# Altium PCB PCB3.PcbDoc
Units mm, origin at the board's own origin, x right, y up, seen from the top; angles counter-clockwise.
Board outline 152.4 x 101.6 mm, 2 copper layers (Top Layer, Bottom Layer); 41 components, 33 nets, 123 pads, 20 vias.
Unrouted connection lines stored in the file: 62.
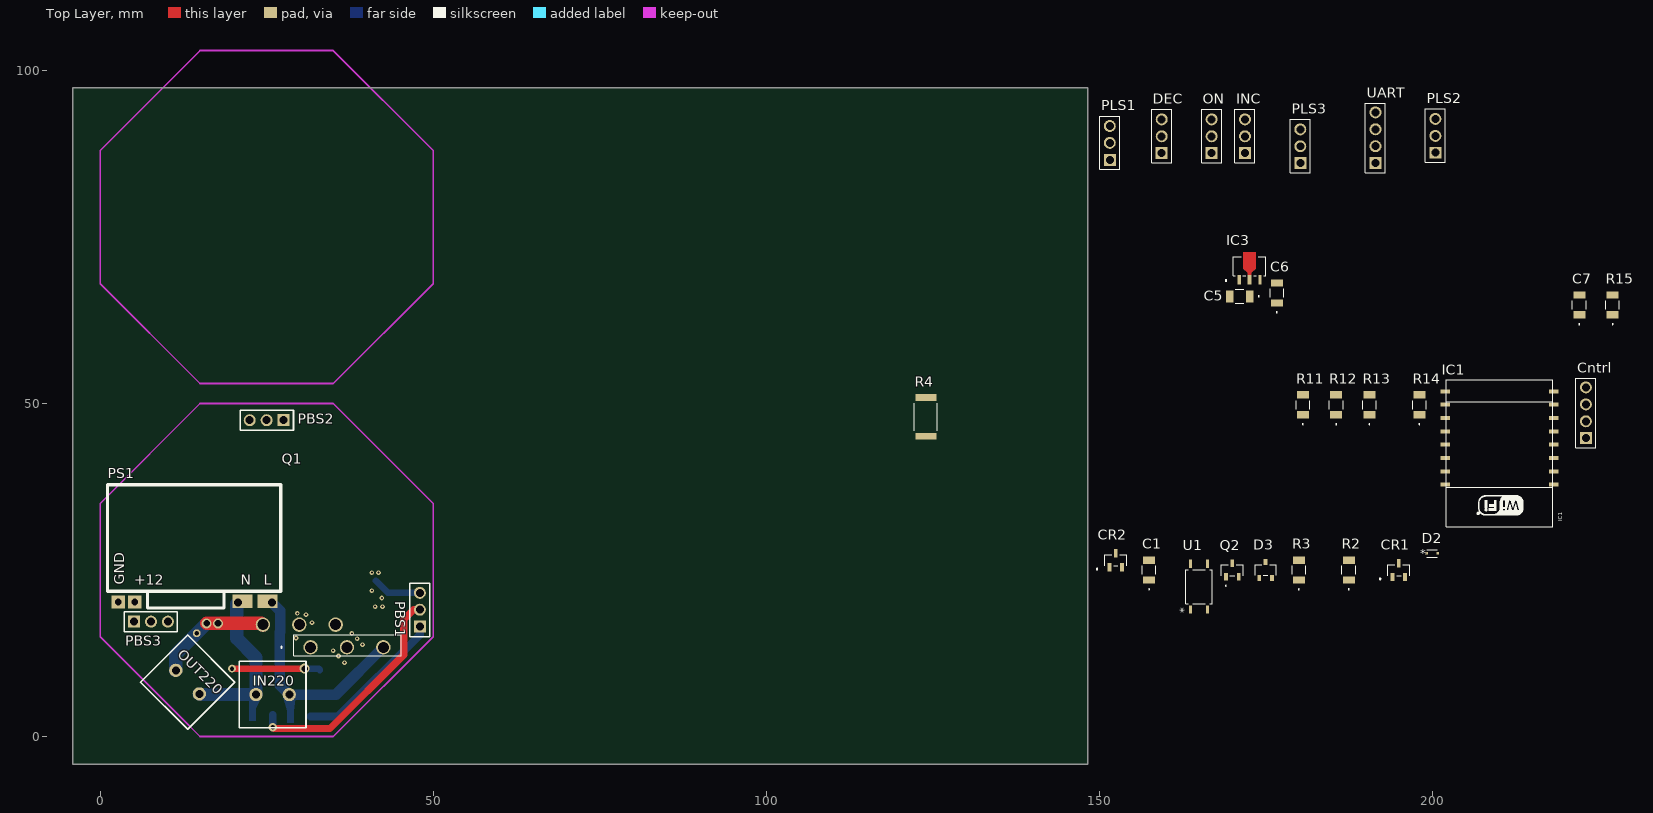
[diagram p0: Top Layer view]
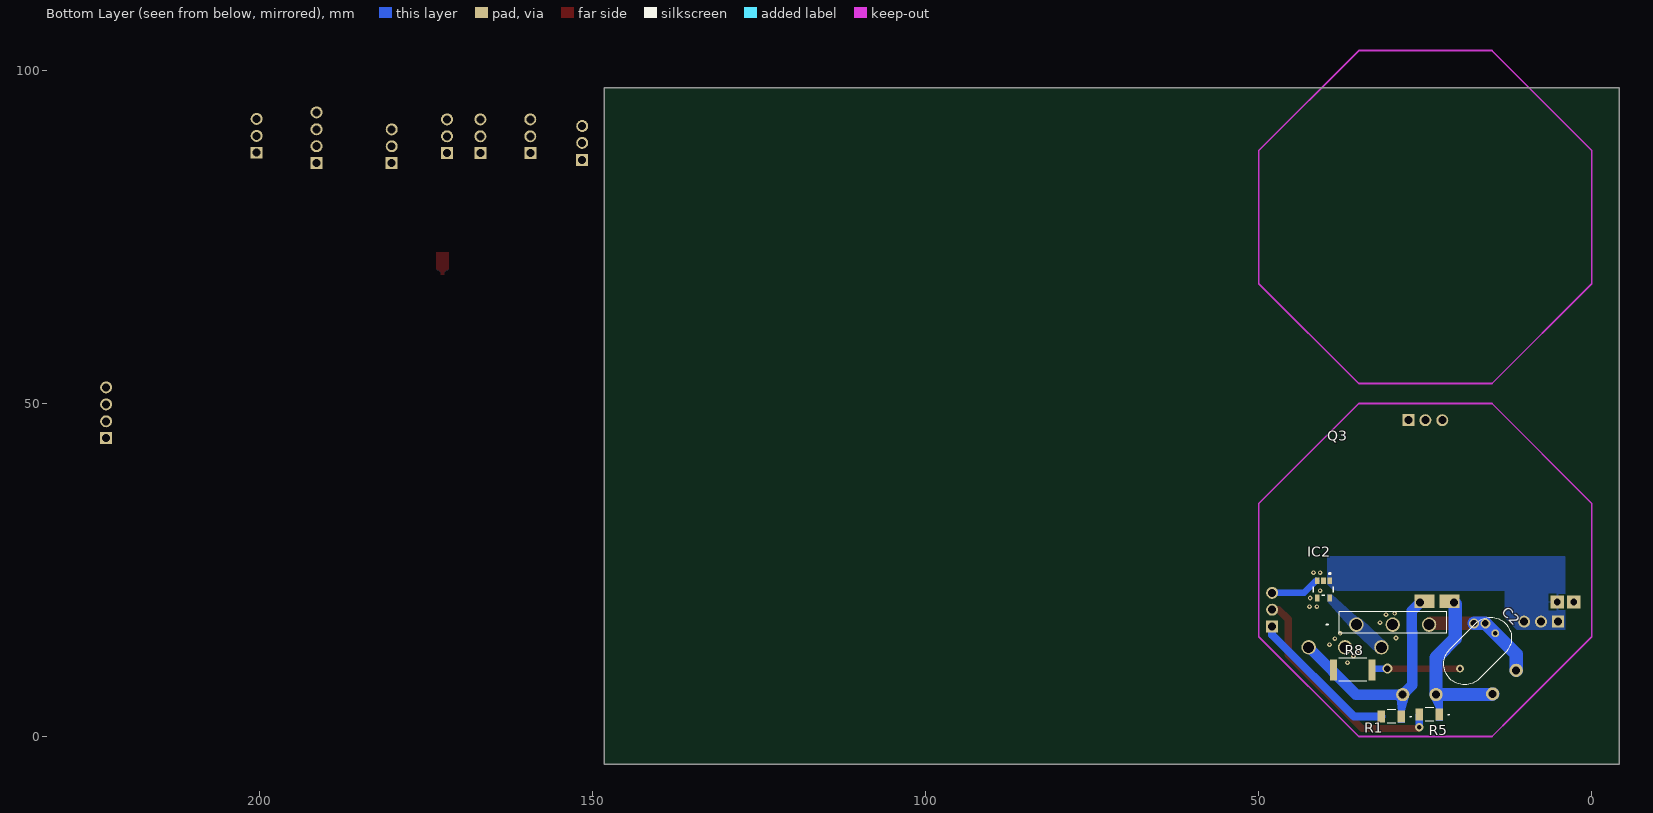
[diagram p1: Bottom Layer view, seen from below]

## Layer stack, top to bottom
Top Solder: solder mask 0.0102, Solder Resist, Dk 3.5
Top Layer: signal copper 0.0356
Dielectric 1: dielectric 0.32, FR-4, Dk 4.8
Bottom Layer: signal copper 0.0356
Bottom Solder: solder mask 0.0102, Solder Resist, Dk 3.5

## Board outline
-4.138,-4.172 148.262,-4.172 148.262,97.428 -4.138,97.428

## Design rules (kind name [scope] priority, off if disabled: settings)
Clearance "Clearance_PS1 pads 0.254" [InPadClass('PS1 Pads')] p1: gap=0.254
Clearance Clearance_0.25 [InPadClass('IC2 Pads')] p2: gap=0.25
Clearance Clearance_Power_Nets_0.7mm [InNetClass('Power_Nets')] p3: gap=0.7
Clearance [All] p4: gap=0.254
ComponentClearance ComponentClearance_1 [InComponent('PS1')] p1: gap=0 collisioncheckmode=3 verticalgap=0.254 showdistances=FALSE
ComponentClearance [All] p2: gap=0.254 collisioncheckmode=3 verticalgap=0.254 showdistances=FALSE
PolygonConnect PolygonConnect_Via [(ObjectKind = 'Via') And (Net = 'GNDA')] p1: connectstyle=Direct reliefconductorwidth=0.254 reliefentries=4 polygonreliefangle="90 Angle" airgapwidth=0.254
PolygonConnect PolygonConnect_PowerPads [InPadClass('Power Pads')] p2: connectstyle=Direct reliefconductorwidth=0.254 reliefentries=4 polygonreliefangle="90 Angle" airgapwidth=0.254
PolygonConnect PolygonConnect_GNDA_0.5 [InNet('GNDA')] p3: connectstyle=Relief reliefconductorwidth=0.7 reliefentries=4 polygonreliefangle="90 Angle" airgapwidth=0.254
PolygonConnect [All] p4: connectstyle=Relief reliefconductorwidth=0.254 reliefentries=4 polygonreliefangle="90 Angle" airgapwidth=0.254
RoutingVias [All] p1: holewidth=0.711 width=1.27 viastyle="Through Hole" minholewidth=0.254 minwidth=0.7 maxholewidth=1 maxwidth=1.524
SolderMaskExpansion [All] p1: expansion=0.102
Width Width_2mm [InNetClass('Power_Nets')] p1: maxlimit=2.4 minlimit=1.6 preferedwidth=2
Width Width_1mm [InNetClass('All Nets')] p2: maxlimit=1.4 minlimit=0.7 preferedwidth=1
Width [All] p3: maxlimit=0.254 minlimit=0.254 preferedwidth=0.254
29 further rules are at their usual default settings.

## Classes and differential pairs
pad class "IC2 Pads": IC2-1 IC2-2 IC2-3
net class "Middle Nets": LOAD_CNTRLA NetPBS1_1 NetPBS1_2
net class Power_Nets: L_IN L_OUT N_IN NetIC2_5
pad class "Power Pads": C2-1 IC2-1 IC2-5 IN220-1 IN220-2 OUT220-1 PBS3-1 PBS3-2 PBS3-3 Q1-1 Q2-2 Q3-1 Q3-2 R1-1 R5-1
pad class "PS1 Pads": PS1-1 PS1-2 PS1-3 PS1-4

## Components (designator, comment, footprint, x,y, rotation, side; value= is the part's Value field where it differs from the comment)
C1 "1206 0.47u" CAP_X7R_1206_AVX 157.5,25 r90 top
C2 "CK45-E3AD103ZYGNA (0.01u)" CAP_CK45E3103_TDK 17.148,12.852 r315 bottom
C5 "C-1206 (0.1u)" CAP_X7R_1206_AVX 171.1,66.1 r180 top
C6 "C-1206 0.33u" CAP_X7R_1206_AVX 176.7,66.6 r90 top
C7 "C-1206 0.47u" CAP_X7R_1206_AVX 222.1,64.8 r90 top
Cntrl "PLS-4" PLS-4 223.1,44.8 r90 top
CR1 "BAV99LT1G" SOT-23_TO-236_318-08_ONS 195,25 r0 top
CR2 "BAV99LT1G" SOT-23_TO-236_318-08_ONS 152.5,26.459 r0 top
D2 "1N4148WT" CR_SOD-523F_ONS 200,27.5 r0 top
D3 "BZX84C22VLFHT116" TRANS_BZX84_ROM 175,25 r0 top
DEC "PLS-3" PLS-3 159.4,90.2 r90 top
IC1 "ESP8266 ESP-07" "ESP8266 ESP-07" 218.1,32.3 r90 top
IC2 "FAN3100TSX" ON_Semi_527AH_0 40.3,22.1 r0 bottom
IC3 "L78L33ABUTR" SOT-89_STM 172.6,70.6 r0 top
IN220 "300-021-12" 300-021-12 20.9,1.3 r0 top
INC "PLS-3" PLS-3 171.9,90.2 r90 top
ON "PLS-3" PLS-3 166.9,90.2 r90 top
OUT220 "300-021-12" 300-021-12 6.061,8.168 r315 top
PBS1 "PBS-3" PBS-3 48,16.5 r90 top
PBS2 "PBS-3" PBS-3 27.54,47.5 r180 top
PBS3 "PBS-3" PBS-3 5.1,17.25 r0 top
PLS1 "PLS-3" PLS-3 151.6,89.2 r90 top
PLS2 "PLS-3" PLS-3 200.495,90.265 r90 top
PLS3 "PLS-3" PLS-3 180.2,88.7 r90 top
PS1 "220to12" 220to12 1.1,21.8 r0 top
Q1 "IRFP460APBF" TO-247AC_VIS 31.6,13.4 r0 top
Q2 "BC807-25,215" SOT23_BC807_NEX 170,25 r0 top
Q3 "IRFP460APBF" TO-247AC_VIS 35.36,16.8 r180 bottom
R1 "120k" CAP_X7R_1206_AVX 30.1,3 r0 bottom
R2 "10k" CAP_X7R_1206_AVX 187.5,25 r90 top
R3 "330k" CAP_X7R_1206_AVX 180,25 r90 top
R4 "R-2512 220" RES2512_TL_TYCO_TYC 124,48 r90 top
R5 "120k" CAP_X7R_1206_AVX 24.4,3.3 r0 bottom
R8 "220" RES2512_TL_TYCO_TYC 35.894,10 r0 bottom
R11 "10k" CAP_X7R_1206_AVX 180.6,49.8 r90 top
R12 "10k" CAP_X7R_1206_AVX 185.6,49.8 r90 top
R13 "10k" CAP_X7R_1206_AVX 190.6,49.8 r90 top
R14 "10k" CAP_X7R_1206_AVX 198.1,49.8 r90 top
R15 "10k" CAP_X7R_1206_AVX 227.1,64.8 r90 top
U1 "TLP183(GR-TPL,E" "4pin SO6_TOS" 165,22.5 r90 top
UART "PLS-4" PLS-4 191.5,86.1 r90 top

## Footprints (in the part's own frame and the unit in brackets; to place one, negate y for a bottom-side part, rotate by r counter-clockwise, add the part's x,y. Pads: shape width x height; smd on the part's side, far side on the other; paste and mask are expansions set on the pad)
"4pin SO6_TOS" [mil]
  rect 47.56x17.97 smd paste+0 mask+0: 1(-135.5,50) 3(-135.5,-50) 4(135.5,-50) 6(135.5,50)
  silkscreen extent -100,-78 100,78, body extent -138,-73 138,73, height 87
220to12 [mm]
  rect 3x2 hole 1.2 copper offset -0.7,0.2: 1(24.7,-1.7)
  rect 3x2 hole 1.2 copper offset 0.7,0.2: 2(19.6,-1.7)
  rect 2x2 hole 1: 3(4.1,-1.6) 4(1.6,-1.6)
  silkscreen extent 0,-2.5 26,16
300-021-12 [mm]
  round 2 hole 1.2: 1(2.5,5) 2(7.5,5)
  silkscreen extent 0,0 10,10
CAP_CK45E3103_TDK [mil]
  round 46 hole 26 mask+0: 1(-147.64,0) 2(147.64,0)
  silkscreen extent -232,-123 232,123, body extent 0,0 10,10, height 10
CAP_X7R_1206_AVX [mil]
  rect 43.78x71 smd paste+0 mask+0: 1(-58.89,0) 2(58.89,0)
  silkscreen extent -117,-40 25,40, body extent -67,-36 67,36, height 50
CR_SOD-523F_ONS [mil]
  rect 15.87x14 smd paste+0 mask+0: 1(-33.44,0) 2(33.44,0)
  silkscreen extent -30,-22 30,22, body extent -34,-17 34,17, height 28
"ESP8266 ESP-07" [mm] "ESP8266 ESP-01"
  rect 0.6x1.4 smd: 1(5.533,-0.178) 2(7.533,-0.178) 3(9.533,-0.178) 4(11.533,-0.178) 5(13.533,-0.178) 6(15.533,-0.178) 7(17.533,-0.178) 8(19.533,-0.178) 9(19.533,16.104) 10(17.533,16.104) 11(15.533,16.104) 12(13.533,16.104) 13(11.533,16.104) 14(9.533,16.104) 15(7.533,16.104) 16(5.533,16.104)
  silkscreen extent -0.8,-0.05 21.25,16, body extent -0.81,0.07 21.19,16.07, height 3.5
ON_Semi_527AH_0 [mm]
  rect 0.7x1 smd paste+0 mask+0: 1(-0.95,-1.3) 2(0,-1.3) 3(0.95,-1.3) 4(0.95,1.3) 5(-0.95,1.3)
  silkscreen extent -1.5,-2.5 1.5,0.85, body extent -1.45,-1.4 1.45,1.4, height 1.5
PBS-3 [mm]
  rect 1.8x1.8 hole 1.2: 1(0,0)
  round 1.8 hole 1.2: 2(2.54,0) 3(5.08,0)
  silkscreen extent -1.5,-1.5 6.5,1.5
PLS-3 [mm]
  rect 1.8x1.8 hole 1.2: 1(-2.605,-0.005)
  round 1.8 hole 1.2: 2(-0.065,-0.005) 3(2.475,-0.005)
  silkscreen extent -4.03,-1.5 3.97,1.5
PLS-4 [mm]
  rect 1.8x1.8 hole 1.2: 1(0,0)
  round 1.8 hole 1.2: 2(2.54,0) 3(5.08,0) 4(7.62,0)
  silkscreen extent -1.42,-1.5 9.01,1.5, body extent -1.28,-1.25 8.88,1.29, height 9.2
RES2512_TL_TYCO_TYC [mil]
  rect 39.87x126 smd paste+0 mask+0: 1(-113.94,0) 2(113.94,0)
  silkscreen extent -82,-68 82,68, body extent -126,-63 126,63, height 24
SOT23_BC807_NEX [mil]
  rect 21.36x45.56 smd paste+0 mask+0: 1(-37.5,-40) 2(37.5,-40) 3(0,40)
  silkscreen extent -64,-96 64,32, body extent -59,-49 59,49, height 43
SOT-23_TO-236_318-08_ONS [mil]
  rect 22.36x49.56 smd paste+0 mask+0: 1(-37.4,-41) 2(37.4,-41) 3(0,41)
  silkscreen extent -115,-57 65,32, body extent -60,-52 60,52, height 44
SOT-89_STM [mil]
  rect 19x54.87 smd paste+0 mask+0: 1(-61.81,-78.44) 3(61.81,-78.44)
  rect 22x54.87 smd paste+0 mask+0: 2(0,-78.44)
  Top Layer region: 11,-51 -11,-51 -11,-37 -36.98,-12.98 -36.98,82.78 36.98,82.78 36.98,-12.98 11,-37.98
  silkscreen extent -145,-88 96,56, body extent 0,0 10,10, height 10
TO-247AC_VIS [mil]
  round 85 hole 65 mask+0: 1(0,0) 2(214.96,0) 3(429.92,0)
  silkscreen extent -178,-50 535,75, body extent -98,-14 527,1041, height 211
TRANS_BZX84_ROM [mil]
  rect 22x36 smd paste+0 mask+0: 1(-37.4,-47) 2(37.4,-47) 3(0,47)
  silkscreen extent -62,-30 62,30, body extent -57,-51 57,51, height 45

## Part data
C1 C5 C6 C7: library part C-1206, "No Description Available"
C2: library part CK45-E3AD103ZYGNA, "No Description Available"
CR1 CR2 D2 D3 IC3 Q1 Q2 Q3 U1: "No Description Available"
R1 R2 R3 R5 R11 R12 R13 R14 R15: library part R-1206, "R-1206"
R4 R8: library part R-2512, "No Description Available"

## Via types
v1: diameter 0.7, hole 0.3, Top Layer to Bottom Layer, 16 vias
v2: diameter 1.5, hole 1, Top Layer to Bottom Layer, 3 vias
v3: diameter 1.27, hole 0.711, Top Layer to Bottom Layer, 1 vias

## Nets (pads, with @x,y where several pads share a name; then routed paths per layer and width w, separated by ;. In a path a pad name is that pad's centre, name@x,y a point inside that pad or via, vN(x,y) a via of type N, cw(c..) or ccw(c..) an arc to the next point about the centre after c; other vN are vias at no path point)
BTN_DEC: DEC.1 IC1.5
BTN_INC: IC1.6 INC.1
BTN_ON: IC1.7 ON.1
DETECT_L: CR1.3 PLS1.1
DETECT_N: CR2.3 PLS1.2
DETECT_NULL: IC1.13 R2.1 U1.6
GND: C5.1 C6.1 C7.1 Cntrl.2 Cntrl.3 DEC.3 IC1.9 IC3.2 INC.3 ON.3 PLS2.1 PLS2.2 PLS2.3 R15.1 U1.4 UART.1
GNDA: IC2.2 IC2.4 PBS2.1 PBS2.2 PBS2.3 PS1.4 Q1.2 Q3.2
  other v1: 36.7,11.1 35.8,12.1 35,12.9 39.4,13.8 38.6,14.7 29.4,14.8 37.8,15.5 31.8,17.1 30.9,18.3 29.6,18.5 41.3,19.5 42.4,19.5 42.3,20.8 40.8,21.9 40.8,24.6 41.8,24.6
L_IN: IN220.2 PS1.1 Q1.3 R1.1 R8.2 | length 32
  Bottom Layer w1.6: PS1.1 27.02,18.881 27.02,15.732 26.95,15.662 26.95,7.75 IN220.2 35.42,6.3 Q1.3
L_OUT: C2.1 OUT220.1 Q3.3 | length 19.2
  Top Layer w2: v2(16,17) v2(17.7,17) 24.24,17 Q3.3
  Bottom Layer w2: OUT220.1 11.364,12.371 C2.1 15.793,16.8 15.8,16.8 v2(16,17) v2(17.7,17)
LOAD_CNTRL: IC1.4 PLS1.3
LOAD_CNTRLA: IC2.3 PBS1.3 | length 7.4
  Bottom Layer w1: IC2.3@41.4,23.4 43.22,21.58 PBS1.3
MODE: IC1.14 UART.4
N_IN: IN220.1 OUT220.2 PS1.2 R5.1 | length 23.6
  Bottom Layer w2: OUT220.2 15,6.3 IN220.1 23.4,11.828 20.5,14.728 20.5,19.9 PS1.2
NetC1_1: C1.1 CR1.1 CR2.1 D3.2 R3.1 U1.3
NetC1_2: C1.2 D2.1 R4.1
NetC2_2: C2.2 R8.1 | length 13.3
  Top Layer w1: C2.2 29.3,10.2 v2(30.7,10.2)
  Bottom Layer w1: v2(30.7,10.2) 32.8,10.2 R8.1
NetCntrl_1: Cntrl.1 IC1.1 R12.1
NetCntrl_4: Cntrl.4 IC1.12 R13.1
NetCR1_2: CR1.2 CR2.2 D2.2 D3.3 Q2.1 R3.2
NetIC1_3: IC1.3 R11.1
NetIC1_10: IC1.10 R15.2
NetIC1_11: IC1.11 R14.1
NetIC2_5: IC2.5 Q1.1 Q3.1
NetPBS1_1: PBS1.1 R1.2 | length 22.7
  Bottom Layer w1.2: R1.2 35.733,3 48,15.267 PBS1.1
NetPBS1_2: PBS1.2 R5.2 | length 34.6
  Top Layer w1.1: v3(25.9,1.4) 26.09,1.21 34.51,1.21 45.6,12.3 45.6,17.6 47.04,19.04 PBS1.2
  Bottom Layer w1.1: R5.2 25.9,3.296 v3(25.9,1.4)
NetQ2_2: Q2.2 R4.2
NetQ2_3: Q2.3 U1.1
RX: IC1.15 UART.2
TX: IC1.16 UART.3
VCC3.3: C5.2 C7.2 DEC.2 IC1.8 IC3.1 INC.2 ON.2 R2.2 R11.2 R12.2 R13.2 R14.2
VCC12: C6.2 IC3.3 PLS3.1 PLS3.2 PLS3.3
VCCA12: IC2.1 PBS3.1 PBS3.2 PBS3.3 PS1.3
pads on no net: D3.1 IC1.2

## Polygon pours and split planes (outlines as drawn)
NetIC2_5 on Bottom Layer "Bottom_Gate" (solid, pour order 0): 34.9,17.8 35.222,17.88 39,21.3 39.7,21.3 39.7,20.285 37.75,18.05 35.7,15.7 32.128,12.428 31.328,13.228 30.623,13.934 34.5,17.5
VCCA12 on Bottom Layer "Bottom VCCA12" (solid, pour order 14): 4,16 4,27 4.1,27.1 39.7,27.1 39.7,22.9 38.7,21.9 13.1,21.9 13.1,17.8 11.3,16

## Keep-outs
Keep-Out Layer:
  lines w0.254: 0,15 11.875,3.125 15,0 35,0 50,15 50,35 35,50 15,50 0,35 0,15 ; 0,68 0,88 15,103 35,103 50,88 50,68 35,53 15,53 0,68

## Other copper
Bottom Layer:
  region net N_IN: 22.4,6.3 22.4,2.4 23.4,2.4 23.4,4.2 24.4,6.3
  region net L_IN: 27.4,6.2 28.1,3.9 28.1,2.1 29.1,2.1 29.1,3.9 29.4,6.2

## Text inside footprints (layer, text, board x,y; h text height)
D2: Top Overlay "*" at 198.251,26.865 h1.27; Mechanical 13 "*" at 199.289,26.865 h1.27
PS1: Top Overlay "GND" at 3.6,22.8 h1.52 r90; Top Overlay "+12" at 5.1,22.8 h1.52; Top Overlay "N" at 21.1,22.8 h1.52; Top Overlay "L" at 24.6,22.8 h1.52
U1: Top Overlay "*" at 163.401,18.487 h1.27 r90; Mechanical 13 "*" at 164.492,20.163 h1.27 r90